# Altium PCB LimeNet-Micro_2v1.PcbDoc (part 6 of 11)
Units mm, origin at the board's own origin, x right, y up, seen from the top; angles counter-clockwise.
Board outline 75 x 143 mm, 6 copper layers (Top, L2, L3, L4, L5, Bottom), stack 1.583 mm thick; 795 components, 565 nets, 3646 pads, 1420 vias.
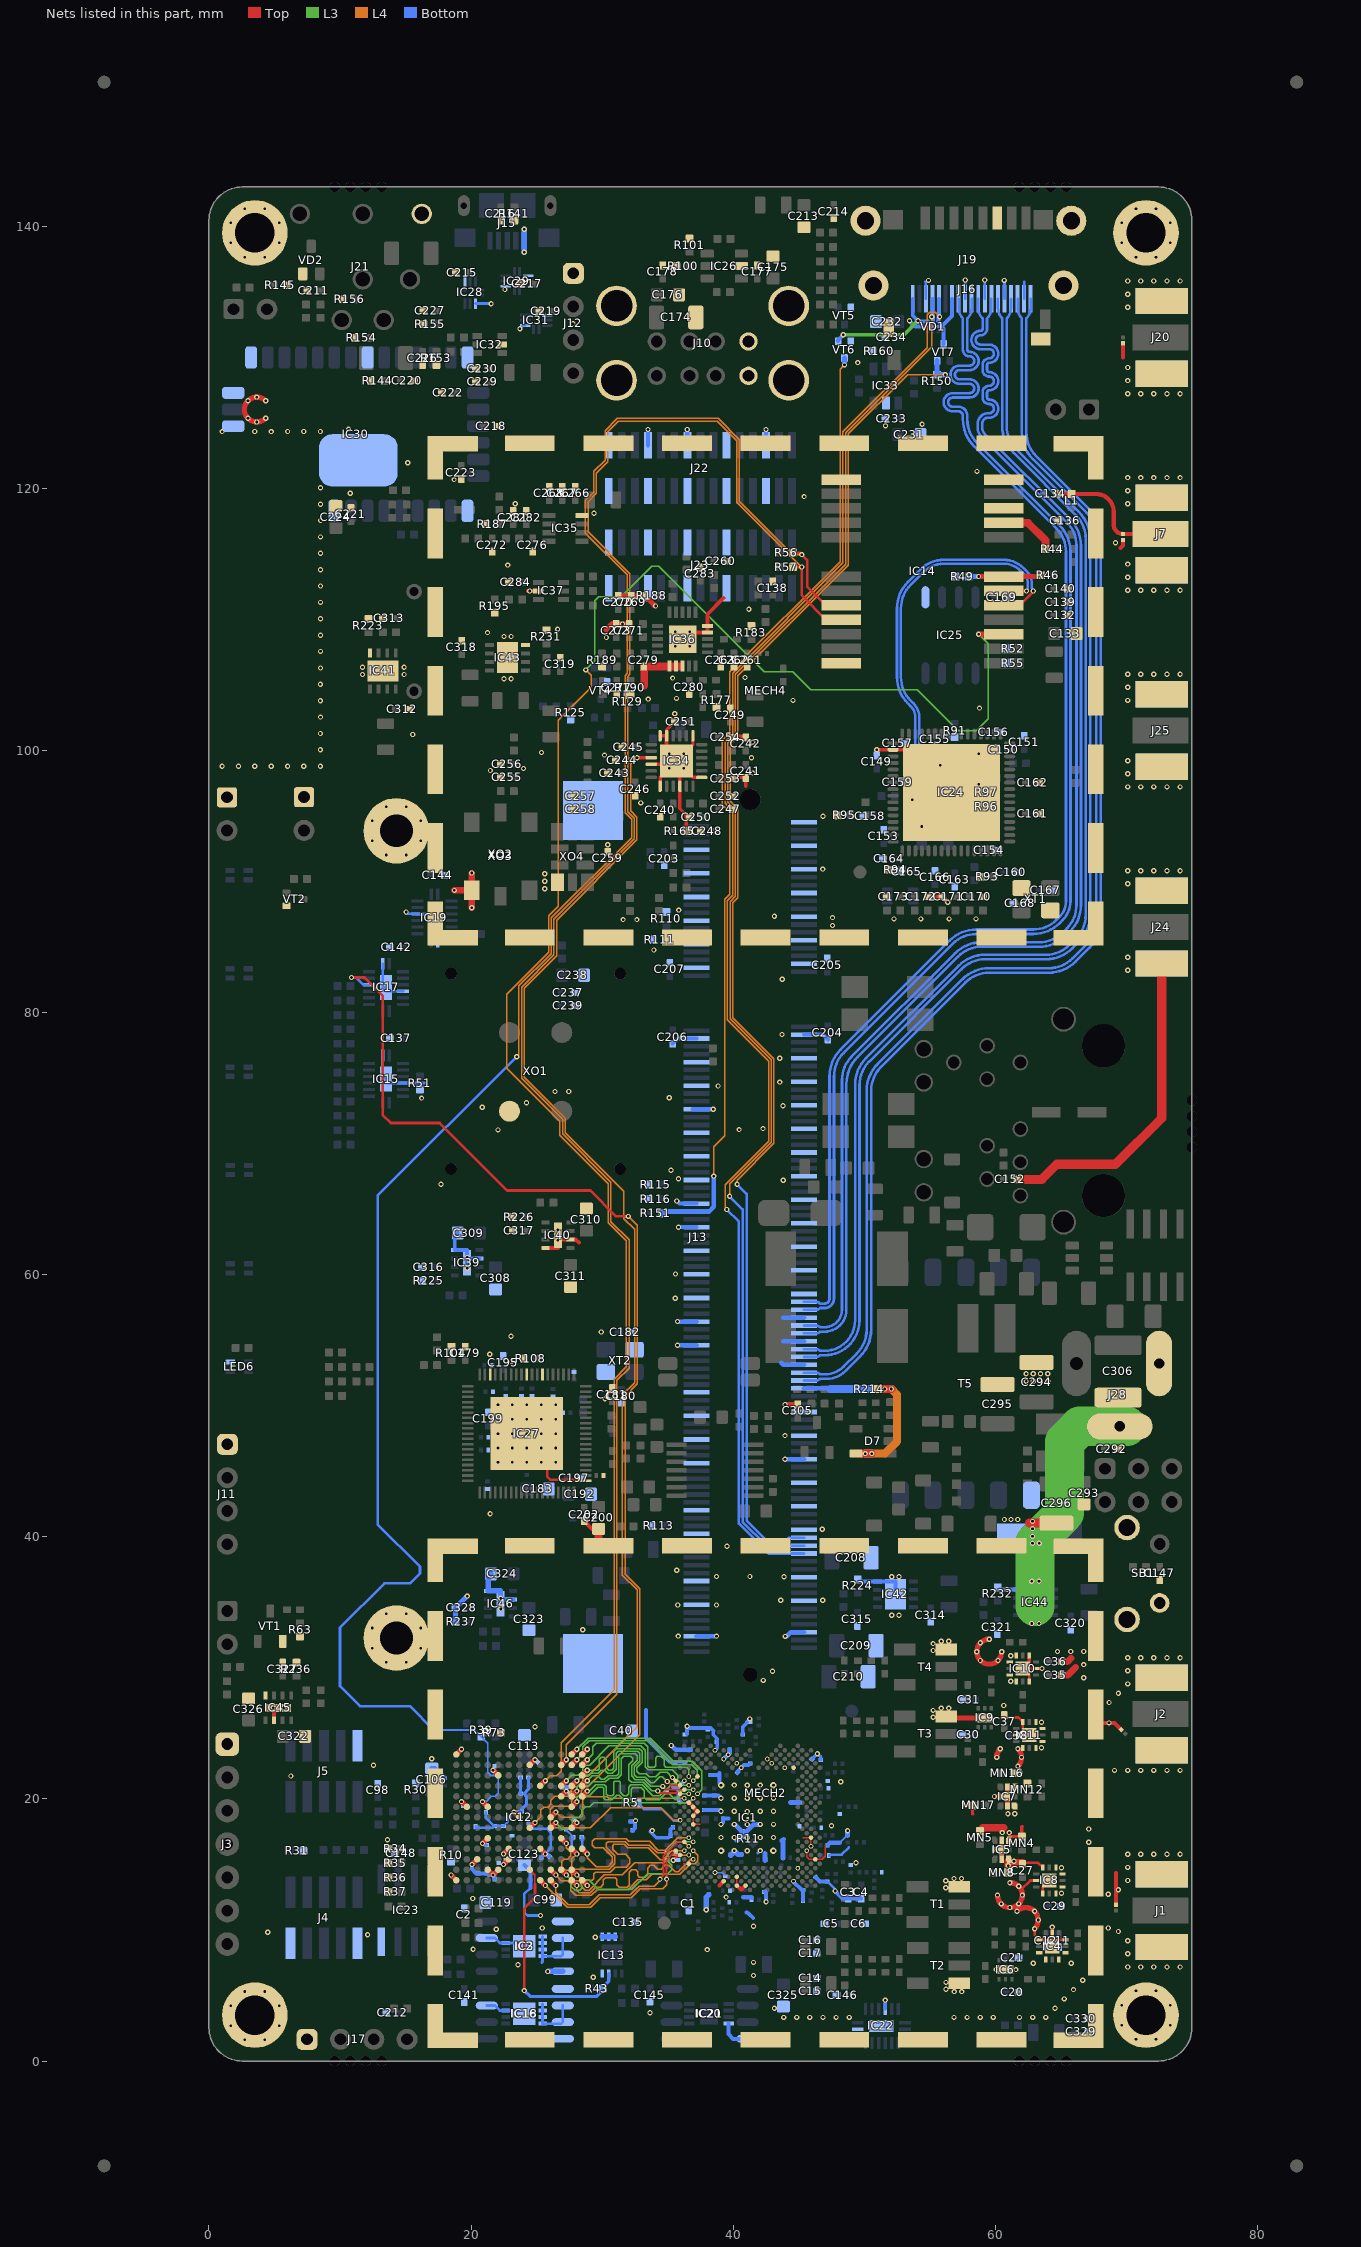
[diagram p10: the nets of this part, all layers, seen from the top]

## Via types
v1: diameter 0.4, hole 0.2, Top to Bottom, tented both sides, 1272 vias
v2: diameter 0.35, hole 0.2, Top to Bottom, tented both sides, 98 vias
v3: diameter 0.5, hole 0.2, Top to Bottom, tented bottom, 25 vias
v4: diameter 0.5, hole 0.2, Top to Bottom, tented both sides, 12 vias
v5: diameter 0.8, hole 0.4, Top to Bottom, tented both sides, 5 vias
v6: diameter 0.4, hole 0.2, Top to Bottom, tented top, 4 vias
v7: diameter 0.4, hole 0.2, Top to Bottom, tented bottom, 4 vias

## Nets (pads, with @x,y where several pads share a name; then routed paths per layer and width w, separated by ;. In a path a pad name is that pad's centre, name@x,y a point inside that pad or via, vN(x,y) a via of type N, cw(c..) or ccw(c..) an arc to the next point about the centre after c; other vN are vias at no path point) (continued)
GND: C1.2 C2.2 C3.2 C4.1 C5.2 C6.1 C11.1 C12.1 C14.1 C15.2 C16.2 C17.1 C20.1 C21.1 C27.1 C29.1 C30.1 C31.1 C35.1 C36.1 C37.1 C38.1 C39.2 C40.1 C41.2 C42.2 C43.2 C44.2 C45.2 C46.2 C47.2 C48.2 C49.2 C50.2 C51.2 C52.2 C53.2 C54.2 C55.2 C56.2 C57.2 C58.2 C59.2 C60.2 C61.2 C62.2 C63.2 C64.2 C65.2 C66.2 C67.2 C68.1 C69.2 C70.2 C71.2 C72.2 C73.2 C74.2 C75.2 C76.2 C77.2 C78.2 C79.2 C80.2 C81.1 C82.2 C83.2 C84.2 C85.2 C86.2 C87.2 C88.1 C89.2 C90.1 C91.1 C92.2 C93.2 C94.2 C95.2 C96.2 C97.2 C98.1 C99.1 C100.2 C101.2 C102.2 C103.2 C104.2 C105.2 C106.1 C107.2 C108.2 C109.2 C110.2 C111.2 C112.2 C113.1 C114.2 C115.2 C116.2 C117.2 C118.2 C119.1 C120.2 C121.2 C122.2 C123.1 C124.2 C125.2 C126.2 C127.2 C128.2 C129.2 C130.2 C131.2 C132.1 C133.1 C135.2 C136.2 C137.1 C138.2 C139.1 C140.2 C141.2 C142.1 C144.1 C145.2 C146.1 C147.2 C148.2 C149.2 C150.1 C151.2 C152.1 C153.2 C154.1 C155.2 C156.2 C157.2 C158.2 C159.2 C160.2 C161.2 C162.2 C163.2 C164.2 C165.2 C166.2 C167.1 C168.1 C169.2 C170.2 C171.2 C172.2 C173.2 C174.1 C175.1 C176.1 C177.2 C178.2 C179.2 C180.2 C181.2 C182.2 C183.1 C184.1 C185.2 C186.1 C187.2 C188.1 C189.2 C190.1 C191.2 C192.1 C193.1 C194.2 C195.2 C196.2 C197.2 C198.2 C199.2 C200.1 C201.1 C202.2 C203.2 C204.1 C205.1 C206.1 C207.1 C208.1 C209.1 C210.1 C211.1 C212.2 C213.1 C214.2 C215.2 C216.2 C217.2 C218.1 C219.2 C220.1 C221.1 C222.1 C223.1 C224.1 C226.2 C227.1 C229.1 C230.2 C231.1 C232.1 C233.2 C234.2 C237.1 C238.1 C239.2 C240.1 C241.1 C242.1 C243.1 C244.1 C245.1 C246.1 C247.1 C248.1 C249.1 C250.1 C251.1 C252.1 C253.1 C254.1 C255.1 C256.1 C257.1 C258.1 C259.1 C260.1 C261.1 C262.2 C263.2 C266.1 C267.2 C268.2 C269.2 C270.2 C271.1 C272.1 C273.2 C276.2 C277.1 C279.1 C280.2 C281.1 C282.2 C283.1 C284.2 C292.1 C293.1 C294.1 C295.1 C296.1 C305.1 C306.1 C308.1 C309.1 C310.1 C311.1 C312.1 C313.1 C314.1 C315.1 C316.2 C317.2 C318.1 C319.1 C320.1 C321.1 C322.1 C323.1 C324.1 C325.1 C326.1 C327.2 C328.2 C329.1 C330.2 D7.5 ESD1.2 ESD2.2 ESD3.2 ESD4.2 IC1.AA31 IC1.AF32 IC1.AG29 IC1.AJ7 IC1.AJ9 IC1.AJ19 IC1.AK12 IC1.AK20 IC1.AL13 IC1.AL23 IC1.AM22 IC1.AN25 IC1.B18 IC1.B20 IC1.C7 IC1.C23 IC1.D20 IC1.E25 IC1.F6 IC1.G31 IC1.GND IC1.H2 IC1.J33 IC1.K4 IC1.L3 IC1.N3 IC1.T30 IC1.V30 IC1.W29 IC1.Y30 IC2.1 IC2.2 IC2.3 IC2.4 IC2.7 IC2.PAD IC3.1 IC3.2 IC3.3 IC3.4 IC3.7 IC4.1 IC4.3 IC4.4 IC4.6 IC4.7 IC4.9 IC4.11 IC4.PAD IC5.2 IC5.4 IC5.5 IC5.7 IC5.8 IC5.9 IC6.PAD IC7.2 IC7.4 IC7.5 IC7.7 IC7.8 IC7.9 IC8.1 IC8.3 IC8.4 IC8.6 IC8.7 IC8.9 IC8.11 IC8.PAD IC9.PAD IC10.1 IC10.3 IC10.4 IC10.6 IC10.7 IC10.9 IC10.11 IC10.PAD IC11.1 IC11.3 IC11.4 IC11.6 IC11.7 IC11.9 IC11.11 IC11.PAD IC12.A1 IC12.A13 IC12.B8 IC12.C3 IC12.D2 IC12.D5 IC12.E2 IC12.E11 IC12.F3 IC12.F4 IC12.G7 IC12.H12 IC12.J4 IC12.L9 IC12.M6 IC12.N1 IC12.N13 IC13.4 IC13.5 IC13.6 IC13.7 IC14.10 IC14.12 IC14.13 IC14.24 IC15.8 IC15.13 IC15.PAD IC16.1 IC16.2 IC16.3 IC16.4 IC16.7 IC16.PAD IC17.8 IC17.13 IC17.PAD IC18.1 IC18.2 IC18.3 IC18.4 IC18.7 IC19.8 IC19.13 IC19.PAD IC20.4 IC21.4 IC22.8 IC22.13 IC22.PAD IC23.4 IC24.34 IC24.PAD IC25.5 IC26.2 IC27.1 IC27.26 IC27.29 IC27.36 IC27.77 IC28.3 IC28.8 IC29.3 IC29.8 IC30.1 IC30.8 IC30.14 IC30.21 IC30.29 IC30.30 IC30.32 IC30.33 IC31.3 IC31.8 IC32.2 IC33.2 IC34.1 IC34.7 IC34.11 IC34.12 IC34.16 IC34.19 IC34.22 IC34.25 IC35.8 IC36.1 IC36.2 IC36.3 IC36.9 IC36.10 IC36.21 IC37.5 IC39.4 IC39.6 IC39.PAD IC40.4 IC40.6 IC40.PAD IC41.4 IC41.9 IC42.4 IC42.9 IC43.4 IC43.9 IC44.4 IC44.9 IC45.4 IC45.6 IC45.PAD IC46.4 IC46.6 IC46.PAD J1.2 J2.2 J3.1 J4.2 J4.10 J5.9 J6.1 J7.2 J10.B4 J10.SHIELD J10.T4 J11.1 J12.1 J13.1 J13.7 J13.8 J13.13 J13.14 J13.19 J13.20 J13.25 J13.26 J13.31 J13.32 J13.37 J13.38 J13.43 J13.44 J13.49 J13.50 J13.55 J13.56 J13.61 J13.62 J13.67 J13.68 J13.73 J13.74 J13.79 J13.80 J13.85 J13.86 J13.91 J13.92 J13.97 J13.98 J13.103 J13.104 J13.109 J13.110 J13.115 J13.116 J13.121 J13.122 J13.127 J13.133 J13.134 J13.139 J13.140 J13.145 J13.146 J13.151 J13.152 J13.157 J13.163 J13.164 J13.169 J13.170 J13.181 J13.182 J13.187 J13.188 J13.195 J13.196 J13.S1 J13.S2 J15.5 J16.6 J16.12 J16.13 J17.1 J19.2 J19.5 J19.8 J19.11 J19.17 J19.20 J20.2 J21.4 J22.1 J22.4 J22.7 J22.10 J22.13 J23.1 J23.4 J23.7 J23.10 J24.2 J25.2 J26.1 J28.2 J28.3 LED6.3 MECH2.1 MECH4.1 MECH5.MH1 MECH6.MH1 MECH7.MH1 MECH8.MH1 MN4.1 MN5.1 MN8.1 MN12.1 MN16.1 MN17.1 pad.1 R10.2 R11.2 R30.1 R31.2 R34.1 R35.1 R36.1 R37.1 R49.2 R51.2 R52.1 R55.1 R63.1 R73.2 R91.1 R93.2 R94.2 R95.2 R100.2 R101.2 R104.1 R108.1 R110.1 R111.1 R113.1 R115.1 R116.1 R125.2 R129.1 R141.2 R144.1 R145.2 R153.1 R154.2 R155.2 R156.1 R160.2 R165.1 R177.1 R183.1 R187.2 R188.2 R189.2 R190.1 R195.2 R214.2 R223.2 R224.1 R225.1 R226.1 R231.2 R232.1 R236.1 R237.1 SB1.2 SB1.Shield T1.1 T2.3 T3.1 T4.1 T5.10 VD1.B2 VD1.C2 VD2.1 VD4.A VT1.S VT2.S VT4.S VT5.S VT6.S XO1.2 XO2.2 XO3.2 XO4.4 XT1.2 XT1.4 XT2.2 XT2.4 | length 439.6
  Top w0.11: 36.172,15.049 36.172,15.052 IC1.G31@36.612,15.052 ; IC1.V30@36.945,18.715 IC1.T30@36.945,18.049 37.501,18.049 ; IC1.B20@40.275,13.387 IC1.D20@40.275,14.053 ; 45.3,17.05 IC1.N3@45.936,17.05 v2(45.936,16.384) ; v2(45.603,16.051) 45.603,15.584 45.802,15.385 IC1.H2@46.269,15.385 46.785,15.385 47.025,15.625 47.025,16.475
  Top w0.15: v1(1.652,2.695) ccw(c3.5,3.46) v1(2.735,1.612) ccw(c3.5,3.46) v1(4.265,1.612) ccw(c3.5,3.46) v1(5.348,2.695) ccw(c3.5,3.46) v1(5.348,4.225) ccw(c3.5,3.46) v1(4.265,5.308) ccw(c3.5,3.46) v1(2.735,5.308) ccw(c3.5,3.46) v1(1.652,4.225) ccw(c3.5,3.46) v1(1.652,2.695) ; v1(1.652,138.735) ccw(c3.5,139.5) v1(2.735,137.652) ccw(c3.5,139.5) v1(4.265,137.652) ccw(c3.5,139.5) v1(5.348,138.735) ccw(c3.5,139.5) v1(5.348,140.265) ccw(c3.5,139.5) v1(4.265,141.348) ccw(c3.5,139.5) v1(2.735,141.348) ccw(c3.5,139.5) v1(1.652,140.265) ccw(c3.5,139.5) v1(1.652,138.735) ; v1(12.452,31.51) ccw(c14.3,32.275) v1(13.535,30.427) ccw(c14.3,32.275) v1(15.065,30.427) ccw(c14.3,32.275) v1(16.148,31.51) ccw(c14.3,32.275) v1(16.148,33.04) ccw(c14.3,32.275) v1(15.065,34.123) ccw(c14.3,32.275) v1(13.535,34.123) ccw(c14.3,32.275) v1(12.452,33.04) ccw(c14.3,32.275) v1(12.452,31.51) ; v1(12.452,93.11) cw(c14.3,93.875) v1(12.452,94.64) cw(c14.3,93.875) v1(13.535,95.723) cw(c14.3,93.875) v1(15.065,95.723) cw(c14.3,93.875) v1(16.148,94.64) cw(c14.3,93.875) v1(16.148,93.11) cw(c14.3,93.875) v1(15.065,92.027) cw(c14.3,93.875) v1(13.535,92.027) cw(c14.3,93.875) v1(12.452,93.11) ; v1(69.652,2.735) cw(c71.5,3.5) v1(69.652,4.265) cw(c71.5,3.5) 70.735,5.348 cw(c71.5,3.5) v1(72.265,5.348) cw(c71.5,3.5) v1(73.348,4.265) cw(c71.5,3.5) v1(73.348,2.735) cw(c71.5,3.5) v1(72.265,1.652) cw(c71.5,3.5) 70.735,1.652 cw(c71.5,3.5) v1(69.652,2.735) ; v1(69.652,138.735) cw(c71.5,139.5) v1(69.652,140.265) cw(c71.5,139.5) 70.735,141.348 cw(c71.5,139.5) v1(72.265,141.348) cw(c71.5,139.5) v1(73.348,140.265) cw(c71.5,139.5) v1(73.348,138.735) cw(c71.5,139.5) v1(72.265,137.652) cw(c71.5,139.5) 70.735,137.652 cw(c71.5,139.5) v1(69.652,138.735)
  Top w0.2: IC27.77@25.8,45.363 25.8,44.6 26.032,44.368 28.096,44.368 28.189,44.275 28.218,44.275 IC27.1@28.75,44.275 ; v1(30.225,50.525) 30.225,50.659 30.775,51.209 C181.2@30.775,51.35 ; v1(35.422,15.319) 35.821,15.718 IC1.J33@35.946,15.718 ; C37.1@60.495,26.208 61.767,26.208 IC11.9@62.1,25.875 62.1,25.375 IC11.PAD@62.6,24.875 IC11.11@61.6,24.875 ; 61.971,13.078 62.668,13.775 IC8.11@63.125,13.775 IC8.PAD@64.125,13.775 63.625,13.275 IC8.1@63.625,12.775 ; C27.1@62.1,15.125 63.275,15.125 IC8.9@63.625,14.775 ; IC10.PAD@62.1,29.95 62.6,29.45 IC10.9@62.6,28.95 ; v1(62.997,10.087) 62.997,9.603 IC4.1@63.35,9.25 63.85,9.25 IC4.PAD@64.35,8.75 64.85,9.25 IC4.9@65.35,9.25
  Top w0.25: IC34.19@34.425,97.275 34.425,97.95 34.789,98.314 34.65,98.314 34.65,98.847 34.928,99.125 35.461,99.125 35.461,98.986 35.479,99.004 IC34.25@35.675,99.2 ; IC34.11@34.925,101.125 34.925,101.587 C251.1@35.538,102.2 ; IC34.25@36.422,99.125 36.7,98.847 36.7,98.314 36.561,98.314 36.925,97.95 IC34.1@37.6,97.95 ; R165.1@36.425,93.85 36.425,95.075 35.925,95.575 IC34.22@35.925,97.275 35.925,98.95 IC34.25@35.675,99.2 ; IC34.7@36.925,101.125 36.925,100.45 v4(36.225,99.75) IC34.25@35.675,99.2 ; C253.1@39.913,97.95 40.913,97.95 40.963,97.9 40.963,97.275 ; v1(50.95,100.05) IC24.34@52.2,100.05 IC24.PAD@53.4,100.05 ; 57.6,19.55 57.645,19.505 MN17.1@58.253,19.505 58.253,18.872 58.275,18.85 ; IC5.7@61.075,16.9 61.075,17.125 MN4.1@62.025,17.125 62.025,17.875 62.05,17.9 ; IC10.1@62.6,30.95 62.6,30.45 IC10.PAD@62.1,29.95 IC10.11@63.1,29.95 v1(63.567,29.95) ; IC4.PAD@64.35,8.75 IC4.11@64.35,9.75 v1(64.35,10.217)
  Top w0.3: IC45.6@4.975,26 4.975,26.95 IC45.PAD@5.3,26.95 ; IC41.9@12.35,106.075 IC41.9@13.325,106.075 ; IC43.9@22.78,107.089 IC43.9@22.78,108.064 ; v1@24.325,112.175 IC37.5@25.15,112.175 ; IC40.4@25.672,62.05 26.622,62.05 v7(26.622,62.615) IC40.PAD@26.622,62.7 ; IC40.PAD@26.622,63.025 IC40.PAD@26.622,62.7 ; 28.218,62.45 27.968,62.7 IC40.6@27.572,62.7 IC40.PAD@26.622,62.7 ; C202.2@28.625,41.2 29.225,40.6 C200.1@29.725,40.6 ; IC34.16@33.75,98.95 34.718,98.95 34.918,99.15 35.479,99.15 IC34.25@35.479,99.004 ; IC34.12@34.425,101.125 IC34.11@34.925,101.125 IC34.25@34.925,99.95 ; v4(35.125,99.75) IC34.25@35.675,99.2 ; IC1.AA31@36.612,19.714 IC1.W29@37.278,19.048 IC1.V30@36.945,18.715 ; IC36.21@36.638,109 IC36.9@38.038,109 IC36.10@38.038,109.5 38.038,110.4 39.263,111.625 ; 38.96,13.404 IC1.C23@39.276,13.72 ; IC1.B20@40.275,13.387 40.591,13.071 ; 40.625,13.071 IC1.B18@40.941,13.387 ; v1(59.934,20.18) IC7.2@60.353,20.18 IC7.2@60.628,20.18 IC7.9@60.928,20.18 IC7.8@60.928,20.855 ; MECH2.1@67.775,25.8 69.1,25.8 ESD2.2@69.607,25.293 ; ESD1.2@69.2,11.925 69.2,14.35 ; 69.55,115.45 69.75,115.65 ESD3.2@69.75,116.075 ; 69.75,130 ESD4.2@69.75,131.075
  Top w0.35: C172.2@54.85,88.85 C171.2@55.95,88.85 v1(56.375,88.425) ; IC5.2@60.2,16.125 IC5.9@60.5,16.125 ; IC5.4@60.5,15.45 IC5.9@60.5,16.125 ; IC5.8@60.5,16.8 IC5.9@60.5,16.125 ; IC7.4@60.928,19.505 IC7.9@60.928,20.18
  Top w0.4: v1(4.322,125.348) cw(c3.65,126.02) v1(3.65,125.07) cw(c3.65,126.02) v1(2.978,125.348) cw(c3.65,126.02) 2.7,126.02 cw(c3.65,126.02) v1(2.978,126.692) cw(c3.65,126.02) v1(3.65,126.97) cw(c3.65,126.02) v1(4.322,126.692) ; v1(18.472,14.194) IC12.A1@18.872,13.794 ; IC12.A13@18.872,23.394 v1(19.272,23.794) ; v1(19.272,19.794) IC12.B8@19.672,19.394 ; v1(20.072,14.994) IC12.C3@20.472,15.394 ; v1(20.872,16.594) IC12.D5@21.272,16.994 ; IC12.D2@21.272,14.594 v1(21.672,14.194) IC12.E2@22.072,14.594 ; v1(21.672,22.194) IC12.E11@22.072,21.794 ; v1(22.472,14.994) IC12.F3@22.872,15.394 ; v1(22.472,15.794) IC12.F4@22.872,16.194 ; v1(23.272,18.994) IC12.G7@23.672,18.594 ; IC12.H12@24.472,22.594 v1(24.872,22.994) ; IC12.J4@25.272,16.194 v1(25.672,15.794) ; IC12.L9@26.872,20.194 v1(27.272,20.594) ; IC12.M6@27.672,17.794 v1(28.072,18.194) ; IC12.N1@28.472,13.794 v1(28.872,13.394) ; IC12.N13@28.472,23.394 v1(28.872,23.794) ; 30.312,109.212 30.787,109.687 C273.2@31.037,109.687 ; C273.2@31.063,109.65 31.787,109.65 ; C270.2@31.225,111.8 C269.2@32.22,111.8 R188.2@33.27,111.8 v1@33.979,111.091 ; C271.1@32.063,109.65 C271.1@32.063,109.687 ; C254.1@39.925,101.025 C242.1@40.95,101.025 ; v1@44.05,50.1 C305.1@44.925,50.1 ; T3.1@56.271,26.298 56.271,26.177 IC9.PAD@59.2,26.177 ; v1(59.537,32.187) ccw(c59.537,31.237) v1(58.865,31.909) ccw(c59.537,31.237) v1(58.587,31.237) ccw(c59.537,31.237) v1(58.865,30.565) ccw(c59.537,31.237) 59.537,30.287 ccw(c59.537,31.237) v1(60.209,30.565) ccw(c59.537,31.237) v1(60.487,31.237) ; v1(60.102,23.164) cw(c61.052,23.164) v1(60.381,23.836) ; v1(60.167,12.661) ccw(c61.117,12.661) v1(60.446,11.989) ccw(c61.117,12.661) v1(61.117,11.711) ccw(c61.117,12.661) v1(61.789,11.989) ccw(c61.117,12.661) v1(62.067,12.661) ccw(c61.117,12.661) 61.971,13.078 ccw(c61.117,12.661) v1(61.789,13.333) ccw(c61.117,12.661) v1(61.117,13.611) ; v1(61.653,11.43) cw(c62.325,10.758) 62.325,11.708 cw(c62.325,10.758) v1(62.997,11.43) cw(c62.325,10.758) v1(63.275,10.758) cw(c62.325,10.758) v1(62.997,10.087) ; v1@61.724,22.492 ccw(c61.052,23.164) v1(62.002,23.164) ccw(c61.052,23.164) v1(61.724,23.836)
  Top w0.5: v1(18.725,89.325) XO3.2@20.05,89.325 ; v1(20.05,88) XO3.2@20.05,89.325 ; v1(20.05,90.65) XO3.2@20.05,89.325 ; C36.1@65.07,30.45 65.5,30.45 65.775,30.725 ; C35.1@65.075,29.45 65.54,29.45 66.125,30.035
  Top w0.6: C200.1@29.725,40.6 29.725,39.313 MECH2.1@30.475,39.313 ; 33.213,104.95 C279.1@33.213,106.35 ; C279.1@33.263,106.4 IC36.3@35.988,106.4 ; D7.5@49.375,46.35 v1(50.575,46.35) ; R214.2@50.875,51.275 v1(52.075,51.275) ; MN5.1@58.825,17.55 59.075,17.8 60.65,17.8 ; MN8.1@61,14.35 IC5.5@61,15.275 ; v1@61.325,15.125 C27.1@62.1,15.125
  Top w0.7: C152.1@61.65,67.275 63.55,67.275 64.7,68.425 69.175,68.425 72.7,71.95 J24.2@72.7,83.755 ; 62.6,41.045 C296.1@64.675,41.045
  L3 w3: 63.032,34.675 63.032,39.568 65.275,41.811 65.275,47.25 66.45,48.425 J28.3@70.05,48.425
  L4 w0.6: v1(50.075,46.35) 51.585,46.35 52.5,47.265 52.5,50.85 v1(52.075,51.275) v1(51.575,51.275)
  Bottom w0.1: v2(38.61,14.386) 38.613,14.383 39.146,14.383 C66.2@39.406,14.123
  Bottom w0.11: 35.807,20.004 35.855,20.004 36.142,19.717 36.584,19.717 C41.2@36.584,19.747
  Bottom w0.15: C116.2@22.472,17.939 22.484,17.939 22.822,18.276 22.822,18.544 v1(23.272,18.994) ; C101.2@27.217,17.656 C101.2@27.217,17.669 ; C101.2@27.242,17.656 C111.2@27.802,17.096 ; C111.2@27.777,17.069 C111.2@27.777,17.096 ; 48.131,16.653 48.143,16.653 48.718,17.228 C92.2@48.731,17.228
  Bottom w0.2: IC17.8@13.258,83.725 13.258,81.925 IC17.PAD@13.508,81.925 13.508,81.625 IC17.13@14.808,81.625 ; IC15.8@13.259,76.725 13.259,75.175 IC15.PAD@13.509,74.925 13.509,74.625 IC15.13@14.809,74.625 16.45,74.625 ; v1(15.038,87.675) 15.038,87.55 15.9,87.55 IC19.13@15.9,87.525 17.2,87.525 IC19.PAD@17.2,87.225 ; C124.2@20.352,17.894 20.352,17.794 21.652,17.794 C118.2@21.797,17.939 ; v1(20.872,16.594) 20.992,16.474 C108.2@21.197,16.474 ; C129.2@21.127,18.969 21.127,18.561 21.749,17.939 C118.2@21.797,17.939 ; IC18.7@21.2,4.235 21.815,4.235 22.2,3.85 IC16.7@22.65,3.85 IC16.PAD@23.8,3.85 ; IC3.7@21.2,9.385 21.815,9.385 22.2,9 IC2.PAD@23.8,9 ; C116.2@22.472,17.939 C118.2@21.797,17.939 ; v1(23.272,18.994) 23.347,19.069 C131.2@23.892,19.069 ; v1(23.725,132.188) 23.975,132.438 IC31.3@24.125,132.438 ; C123.1@24.072,14.944 C123.1@24.072,14.994 ; C130.2@24.377,18.144 24.377,18.098 24.75,17.725 25.791,17.725 26.072,17.444 26.072,16.249 25.707,15.884 C103.2@25.974,15.617 ; 24.522,13.207 24.05,12.735 24.05,11.35 24.3,11.1 v1(25.3,11.1) ; 25.394,7.514 25.45,7.57 IC2.4@25.45,8 ; IC16.1@25.45,4.35 IC16.4@25.45,2.85 IC18.3@26.885,2.85 ; IC2.1@25.45,9.5 IC2.4@25.45,8 ; IC18.3@27,2.965 IC18.2@27,4.235 ; IC3.2@27,9.385 IC3.3@27,8.115 26.885,8 IC2.4@25.45,8 ; 27.672,16.428 27.672,16.939 C111.2@27.802,17.069 ; C104.2@28.442,17.109 28.472,17.079 28.472,16.428 ; 41.887,15.869 v1(42.072,16.054) ; C51.2@47.19,13.694 47.775,13.109 v1(47.775,12.975) ; C89.2@47.339,15.681 47.411,15.753 48.281,15.753 48.831,16.303 ; 54.675,135.775 54.7,135.775 J19.17@54.7,134.475 ; J19.11@57.7,134.475 v1@57.7,135.775 ; J19.8@59.2,134.475 v1@59.2,135.775 ; J19.5@60.7,134.475 v1@60.7,135.775 ; J19.2@62.2,134.475 62.2,135.775
  Bottom w0.22: IC28.3@20.325,134.1 v1(21.525,134.1)
  Bottom w0.25: C114.2@23.772,21.639 23.772,20.424 C117.2@23.797,20.399 ; C131.2@23.892,19.069 23.892,19.239 24.222,19.569 24.222,20.219 24.042,20.399 24.372,20.729 C128.2@24.372,21.639 ; v1@33.672,17.494 34.122,17.044 35.067,17.044 C74.2@35.217,17.194 ; 38.481,25.203 38.481,24.894 38.776,24.599 38.776,23.876 v2(38.61,23.71) ; C87.2@46.004,23.026 46.004,23.029 v1(46.425,23.45) 46.675,23.2 C94.2@46.675,22.969 ; IC22.13@51.6,3.975 v1(51.6,4.65)
  Bottom w0.3: C309.1@18.975,63.175 18.75,62.95 IC39.4@18.75,61.875 19.7,61.875 IC39.PAD@19.7,61.225 ; IC39.PAD@19.7,60.9 IC39.PAD@19.7,61.225 ; v1(20.072,14.994) 20.072,14.631 20.389,14.314 C110.2@20.547,14.314 C107.2@21.197,14.314 21.317,14.194 v1(21.672,14.194) 21.792,14.074 C120.2@21.792,13.869 ; IC39.6@20.65,61.225 IC39.PAD@19.7,61.225 ; C123.1@24.072,14.944 24.522,14.494 24.522,13.207 ; C105.2@25.347,15.524 25.617,15.794 v1(25.672,15.794) 25.797,15.794 C103.2@25.974,15.617 ; C109.2@26.952,20.894 27.469,20.894 ; C46.2@32.172,18.289 32.502,18.289 32.502,17.769 C45.2@32.327,17.594 ; 33.347,26.769 33.347,24.643 35.155,22.834 C50.2@35.552,22.834 C49.2@36.322,22.834 ; C74.2@35.217,17.194 35.217,17.669 C75.2@35.392,17.844 ; C206.1@35.375,77.625 35.775,78.025 J13.44@37.2,78.025 ; 35.39,20.907 35.807,20.907 ; v1(35.7,65.625) 35.9,65.425 J13.86@37.2,65.425 ; 35.807,20.004 35.807,20.907 ; v1@35.9,63.625 J13.92@37.2,63.625 ; v2(36.279,21.379) 35.807,20.907 ; C61.2@36.456,24.94 36.481,24.965 v1(36.481,25.553) 36.63,25.404 38.28,25.404 38.481,25.203 ; C73.2@37.782,19.144 38.982,19.144 v1(39.072,19.054) ; C70.2@37.782,20.244 38.882,20.244 v1(39.072,20.054) ; C82.2@38.272,21.834 C55.2@38.877,21.834 ; C55.2@38.942,21.969 38.942,21.184 v4(39.072,21.054) ; v1(39.072,18.054) 39.232,18.214 C42.2@39.232,18.499 39.662,18.499 ; IC20.4@39.65,2.85 39.65,2.045 40,1.695 IC21.4@41,1.695 ; C69.2@40.32,22.021 40.32,22.09 v2(40.608,22.378) 40.804,22.574 41.162,22.574 C56.2@41.307,22.719 ; C86.2@40.731,24.908 40.731,25.503 41.036,25.808 41.036,25.883 v1(41.256,26.103) ; 41.027,11.328 41.056,11.328 ; 41.172,11.261 41.531,10.903 ; C53.2@42.386,12.948 42.511,12.823 v1(42.511,12.15) ; v2(44.604,13.72) 44.604,13.675 45.236,13.043 C78.2@45.355,13.043 ; C91.1@45.326,12.228 C78.2@45.326,13.014 ; J13.43@45.4,78.325 46.85,78.325 C204.1@47.225,77.95 ; C76.2@46.33,13.992 46.628,13.694 C51.2@47.127,13.694 ; v1(47.775,12.975) 48.356,12.394 C3.2@48.772,12.394 C4.1@49.772,12.394 ; R224.1@49.666,36.593 IC42.4@51,36.593 52.375,36.593 IC42.9@52.375,35.618 ; v1@53.5,132.75 53.9,132.35 VD1.C2@54.85,132.35 VD1.B2@55.25,132.35 ; R232.1@60.349,35.975 63.058,35.975 IC44.9@63.058,35
  Bottom w0.325: J22.4@33.5,123.3 v1(33.5,124.5) ; J22.7@36.5,123.3 v1(36.5,124.5) ; J22.13@42.5,123.3 v1(42.5,124.5)
  Bottom w0.35: v1(35.28,24.076) 35.612,23.744 C59.2@36.747,23.744 ; v1(35.75,54.625) J13.122@37.2,54.625 ; v1(35.75,56.425) J13.116@37.2,56.425 ; J13.62@36.906,72.625 v1(38.481,72.625) ; J13.196@37.2,32.425 v1(38.725,32.425) ; v2(39.276,23.044) 39.726,23.493 C85.2@39.726,23.774 ; v1(40.072,17.054) 40.322,16.804 R11.2@40.852,17.334 ; v1@40.133,18.054 R11.2@40.852,17.334 ; C67.2@40.756,12.498 41.381,12.498 41.401,12.478 ; 41.572,18.054 R11.2@40.852,17.334 ; 43.675,53.275 43.825,53.125 J13.127@45.4,53.125 ; 43.731,16.803 43.856,16.928 ; 43.825,54.925 J13.121@45.4,54.925 ; 43.825,56.725 J13.115@45.4,56.725 ; v1(43.95,45.925) J13.151@45.4,45.925 ; v1(43.975,32.4) 44.075,32.4 44.4,32.725 J13.195@45.4,32.725 ; J13.133@45.4,51.325 47.352,51.325 47.403,51.275 ; C58.2@47.212,16.48 47.384,16.653 48.131,16.653
  Bottom w0.4: C106.1@17,22.325 17.225,22.325 C112.2@17.975,21.575 ; R237.1@18.805,33.525 C328.2@18.805,34.575 v1(19.705,35.475) ; C324.1@21.525,37.175 21.3,36.95 IC46.4@21.3,35.875 22.25,35.875 v6(22.25,35.31) IC46.PAD@22.25,35.225 ; IC46.PAD@22.25,34.9 IC46.PAD@22.25,35.225 ; IC46.6@23.2,35.225 IC46.PAD@22.25,35.225 ; v1(24.05,138.025) J15.5@24.05,138.9 v1(24.05,139.775) ; v1(25.85,6.825) 25.87,6.845 IC3.4@27,6.845 ; IC13.5@30,9.475 IC13.7@31,9.475 ; v1(37.952,11.549) 37.952,12.514 C65.2@38.132,12.694 ; C81.1@39.806,15.683 40.072,15.949 v1(40.072,16.054) 40.367,15.759 C80.2@40.608,15.759 ; v1(40.072,18.054) v1@40.133,18.054 ; 41.572,18.054 v1(42.072,18.054) ; C54.2@42.436,15.303 42.436,15.833 ; 43.731,16.803 43.796,16.738 C90.1@43.796,15.503 ; 44.386,19.723 C88.1@45.031,19.723 ; C92.2@48.731,17.228 v1(48.731,17.563)
  Bottom w0.6: 47.403,51.275 v1(51.575,51.275) v1(52.075,51.275)
  other v1: 70.735,1.652 43.85,3.325 44.85,3.325 45.85,3.325 46.85,3.325 47.85,3.325 48.85,3.325 56.85,3.325 57.85,3.325 58.85,3.325 59.85,3.325 61.85,3.325 62.85,3.325 63.85,3.325 33.65,3.675 43.143,4.032 64.557,4.032 65.264,4.739 56.86,5.298 57.435,5.298 70.735,5.348 65.971,5.446 56.235,5.473 56.235,5.998 66.678,6.153 29.325,6.4 41.55,6.525 60.075,6.982 61.575,6.973 70.1,7.175 71.1,7.175 72.1,7.175 73.1,7.175 74.1,7.175 23.575,7.35 62.9,7.45 65.8,7.45 41.55,7.525 70.1,8.175 38.025,8.5 20.15,8.525 70.1,9.175 29.475,9.45 12.1,9.625 4.475,9.825 69.393,9.882 21.925,10.05 25.425,10.15 68.625,10.15 41.55,10.275 20.125,12.4 39.456,12.505 68.625,12.725 65.05,12.807 69.393,13.068 56.225,13.225 56.225,13.75 70.1,13.775 56.85,13.925 57.425,13.925 65.05,14.743 70.1,14.775 60.981,14.9 49.375,15.125 61.425,15.25 70.1,15.775 71.1,15.775 72.1,15.775 73.1,15.775 74.1,15.775 41.072,16.044 67.125,16.7 13.625,16.875 41.072,17.044 39.072,17.054 42.072,17.054 43.072,17.054 60.537,17.43 61.062,17.43 33.825,17.583 67.125,17.7 47.5,17.95 41.072,18.044 43.072,18.054 32.547,18.344 60.965,18.875 61.49,18.875 40.072,19.054 41.072,19.044 42.072,19.054 43.072,19.054 41.072,20.044 40.072,20.054 42.072,20.054 43.072,20.054 40.072,21.054 41.072,21.044 42.072,21.054 48.2,21.3 6.25,21.75 61.915,22 69.1,22.175 70.1,22.175 71.1,22.175 72.1,22.175 73.1,22.175 74.1,22.175 61.724,22.492 12.55,22.575 17,23.069 63.525,23.907 24.875,25.5 68.675,25.8 63.525,25.843 55.255,26.228 55.255,26.753 55.88,26.928 56.455,26.928 60.653,27.125 68.686,27.361 69.393,28.068 70.1,28.775 61.175,28.982 42.293,29.043 66.75,29.25 43,29.75 70.1,29.775 66.75,30.25 70.1,30.775 71.1,30.775 72.1,30.775 73.1,30.775 74.1,30.775 61.175,30.918 64.75,31.25 65.75,31.25 66.75,31.25 55.255,31.328 55.255,31.853 55.88,32.028 56.455,32.028 35.8,32.425 28.525,32.9 62.786,33.389 63.331,33.389 52.102,34.007 52.648,34.007 35.775,34.8 38.725,34.8 43.625,35.15 46.825,35.15 60.888,35.975 62.786,36.611 63.331,36.611 43.875,36.95 52.102,36.954 52.648,36.954 38.725,36.975 41.275,36.975 35.7,37.45 39.525,39.275 62.835,39.5 63.36,39.5 62.835,40.05 46.8,40.575 62.835,40.625 62.835,41.175 60.694,41.325 61.2,41.325 61.706,41.325 21.45,41.756 43.95,47.725 43.95,50.094 62.35,51.874 62.9,51.874 63.45,51.874 64,51.874 62.35,52.45 62.9,52.45 63.45,52.45 64,52.45 23.075,53.35 21.425,53.925 23.045,55.3 29.925,55.625 35.575,58.2 35.6,60.05 35.825,63.625 17.7,66.9 43.825,67.2 35.825,67.325 35.25,67.975 22.05,71.05 40.45,71.075 42.275,71.15 20.85,72.775 43.796,72.9 24.225,73.125 16.225,73.475 35.125,73.5 26.4,73.984 27.45,73.984 38.85,74.4 43.55,74.7 43.55,76.523 43.725,78.325 43.75,82.55 70.1,83.225 70.1,84.225 33.95,84.775 47.575,86.65 31.6,87.1 32.65,87.1 52.275,87.15 54.325,87.15 56.475,87.15 58.525,87.15 47.575,87.25 43.143,87.35 35.85,87.825 25.625,89.45 70.1,89.825 25.625,90.025 25.625,90.6 70.1,90.825 71.1,90.825 72.1,90.825 73.1,90.825 74.1,90.825 46.825,90.95 30.425,92.8 54.375,94.2 46.85,94.975 32.95,96 53.675,96.25 70.1,97.225 71.1,97.225 72.1,97.225 73.1,97.225 74.1,97.225 58.725,97.425 70.1,98.225 41.5,98.275 21.475,98.475 24,98.625 1,98.805 2.25,98.8 3.5,98.8 4.75,98.805 6,98.8 7.239,98.8 8.5,98.8 55.8,98.875 70.1,99.225 41.4,99.45 30.175,99.65 58.725,99.75 25.375,99.85 8.5,100.061 41.5,100.625 15.55,101.225 8.5,101.3 8.505,102.55 35.538,102.8 58.796,103.236 8.5,103.8 44.565,103.825 70.1,103.825 33.525,103.925 35.675,103.975 70.1,104.825 8.5,105.05 22.507,105.478 23.052,105.478 35.375,105.525 40.9,105.575 11.714,105.802 14.886,105.802 70.1,105.825 71.1,105.825 72.1,105.825 73.1,105.825 74.1,105.825 8.505,106.3 11.714,106.348 14.886,106.348 8.505,107.561 30.325,108.625 22.507,108.7 23.052,108.7 8.505,108.8 21.25,108.996 26.6,109.25 31.55,109.65 8.51,110.05 41.2,110.775 34.079,111.025 8.505,111.3 24.475,112.175 70.1,112.225 71.1,112.225 72.1,112.225 73.1,112.225 74.1,112.225 8.505,112.55 70.1,113.225 8.51,113.8 22.8,114.15 70.1,114.225 8.51,115.061 69.172,115.853 8.51,116.3 8.515,117.55 29.375,118.1 8.51,118.8 23.375,118.825 70.1,118.825 45.41,119.375 10.775,119.625 70.1,119.825 8.51,120.05 18.7,120.675 70.1,120.825 71.1,120.825 72.1,120.825 73.1,120.825 74.1,120.825 58.6,121.3 15.175,121.95 1,124.335 3.5,124.34 4.75,124.335 6,124.34 7.239,124.34 8.5,124.34 10.65,124.525 51.625,124.777 54.412,124.889 70.1,127.225 71.1,127.225 72.1,127.225 73.1,127.225 74.1,127.225 70.1,128.225 70.1,129.225 49.505,129.603 27.775,132.575 53.45,132.8 70.1,133.825 70.1,134.825 22.58,135.175 70.1,135.825 71.1,135.825 72.1,135.825 73.1,135.825 74.1,135.825 54.9,135.875 60.675,135.875 57.7,135.9 59.2,135.9 70.735,137.652 70.735,141.348